# KiCad board Europe-ergo.kicad_pcb
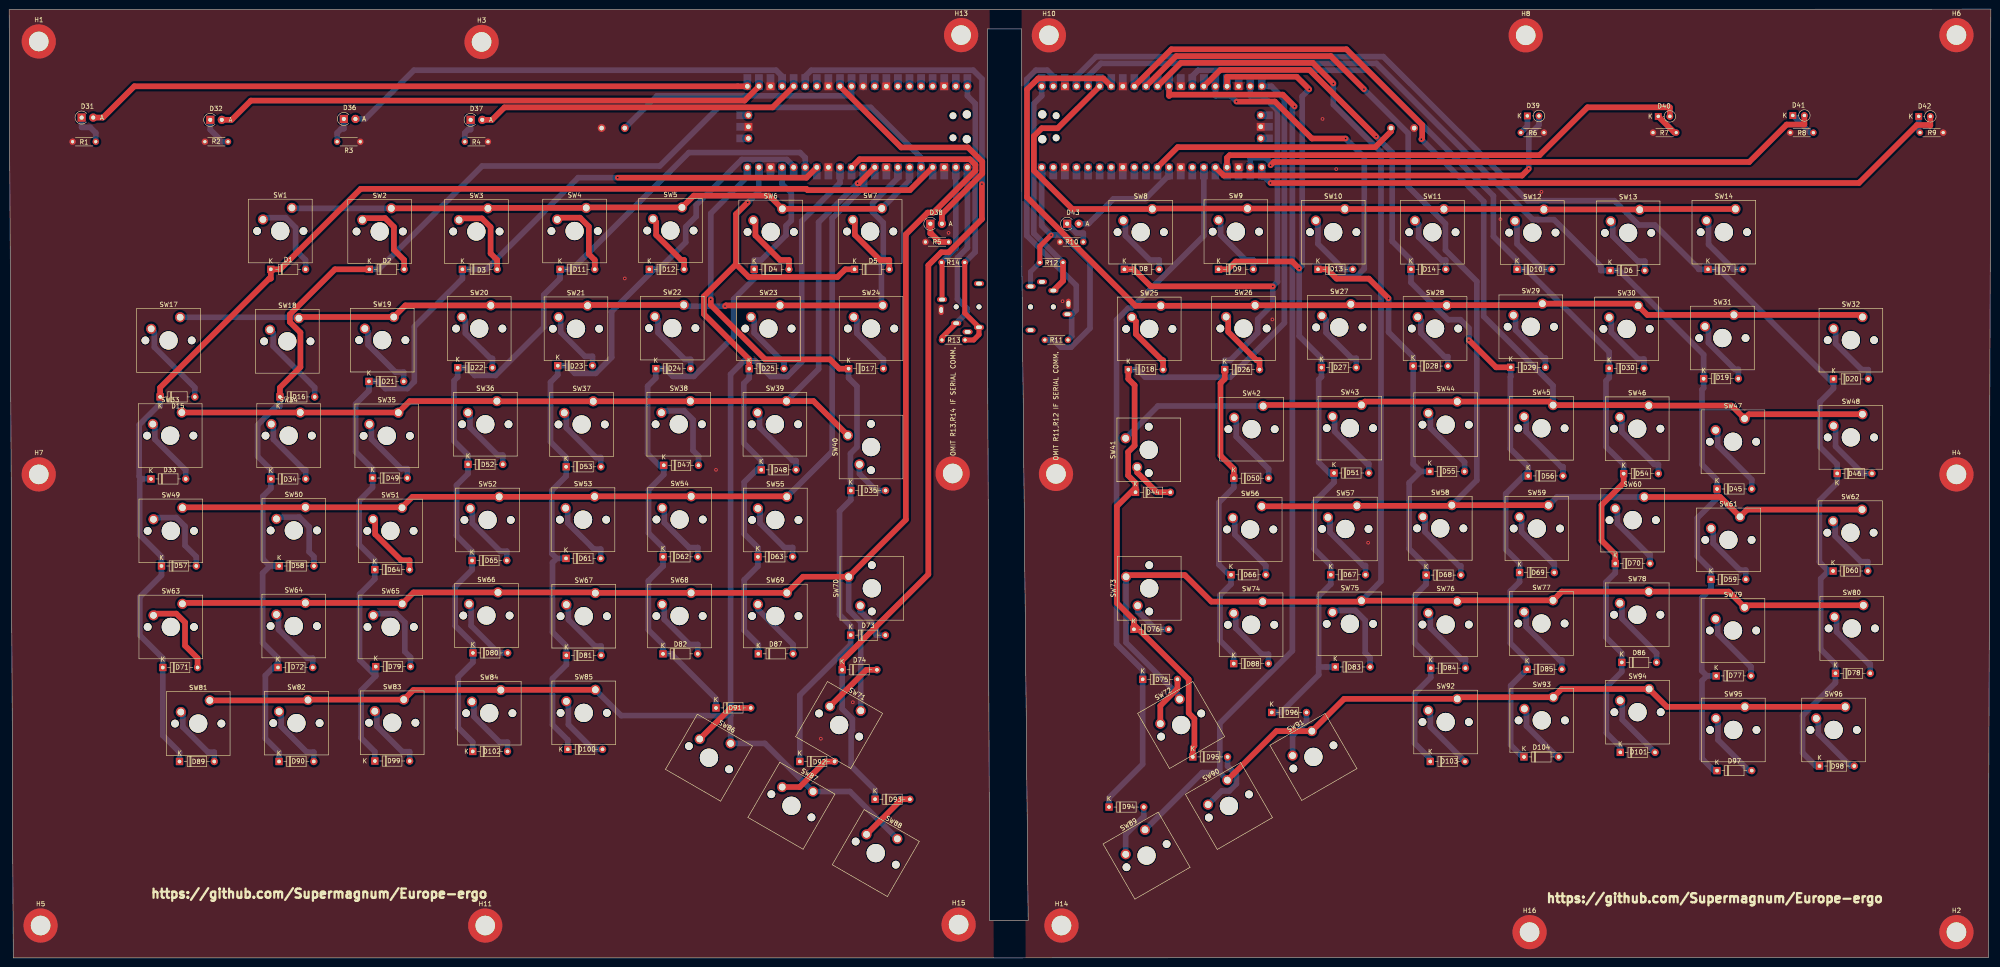
[diagram p0: board, top side]
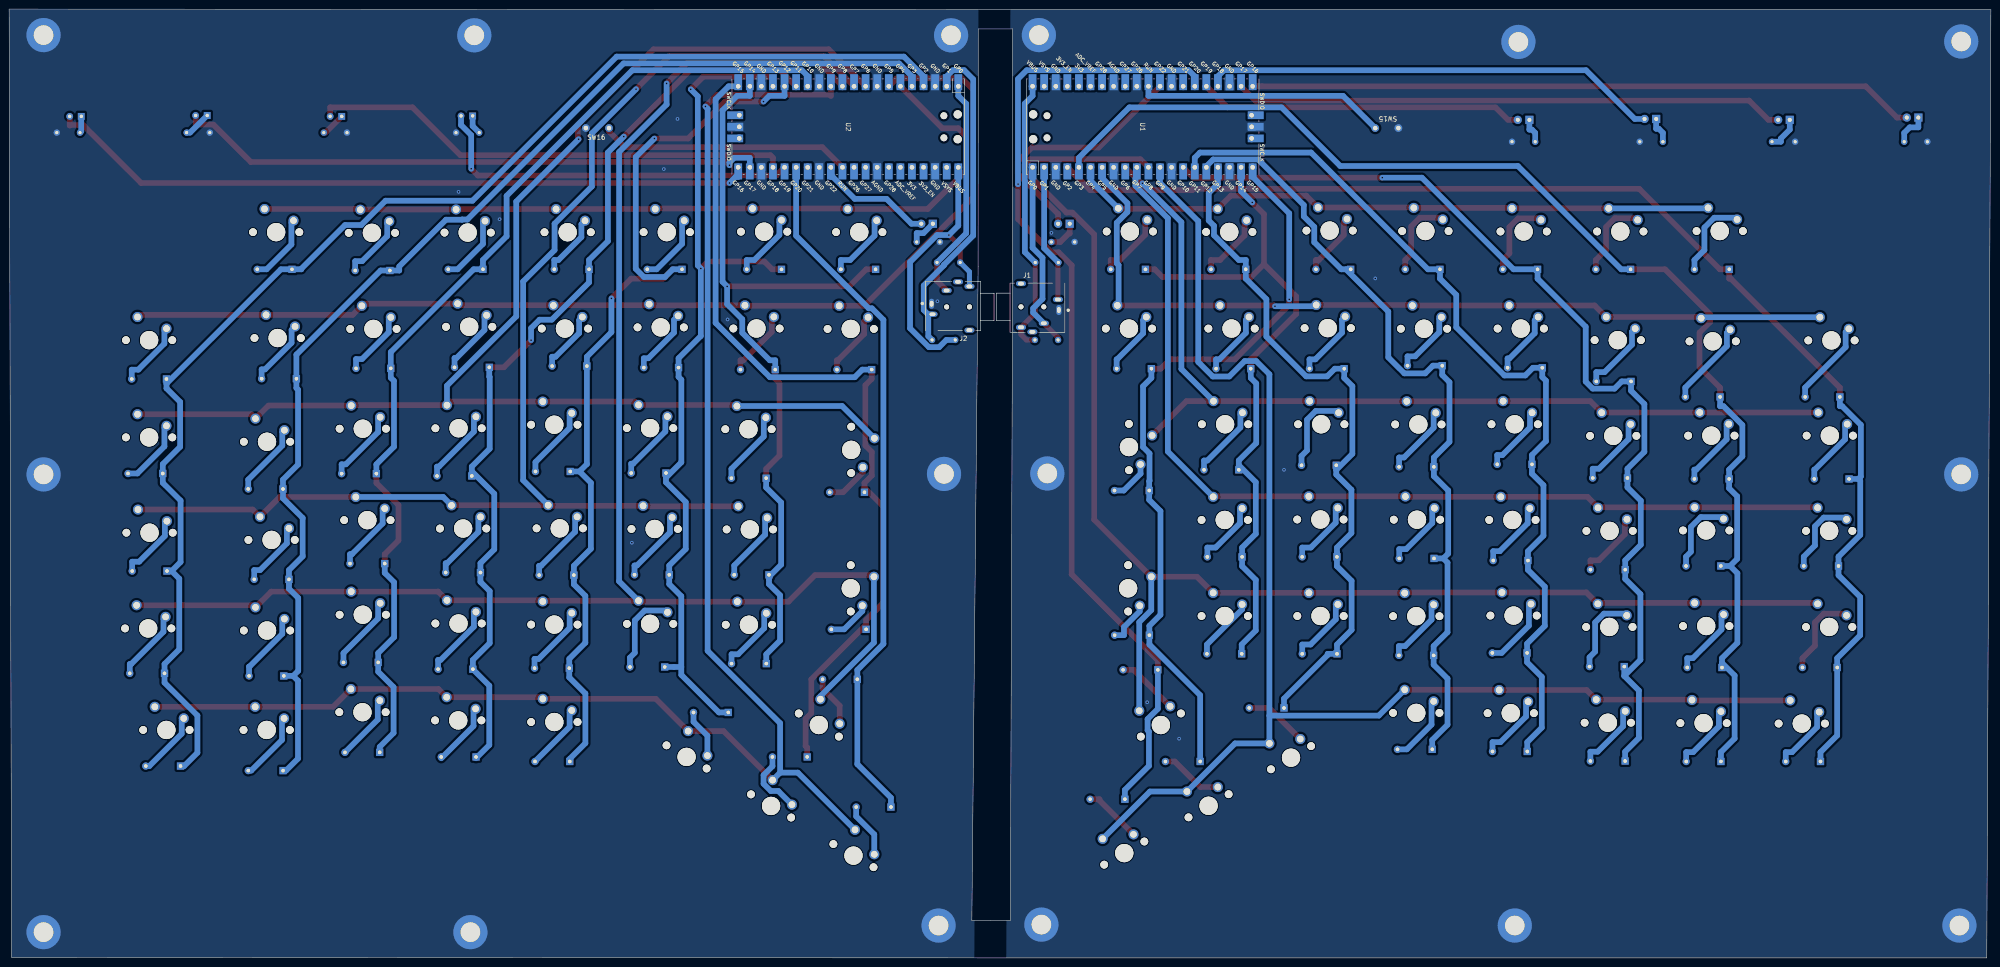
[diagram p1: board, bottom side, seen from below]

Outline 434.55 x 208.2 mm; copper layers: Top, Bottom. Coordinates in mm from the lower left corner of the outline.
Outline path: 0,208.1 214.5,208.1 434.55,208.2 434,0.1 215.9,0 0.9,0 0,208.1 ; 214.57,134.02 214.5,203.85 222.05,203.85 222.07,151.7 223.45,8.25 215,8.25 214.57,134.02
Stack: Top 0.035mm / dielectric 1.51mm FR4 er 4.5 / Bottom 0.035mm

## Placement (name value [footprint] x y rotation side)
D1  1N4148  [D_DO-35_SOD27_P7.62mm_Horizontal]  57.38 151.1 0 top
D2  1N4148  [D_DO-35_SOD27_P7.62mm_Horizontal]  79 151.1 0 top
D3  1N4148  [D_DO-35_SOD27_P7.62mm_Horizontal]  99.4 151.1 0 top
D4  1N4148  [D_DO-35_SOD27_P7.62mm_Horizontal]  163.38 151.1 0 top
D5  1N4148  [D_DO-35_SOD27_P7.62mm_Horizontal]  185.38 151.1 0 top
D6  1N4148  [D_DO-35_SOD27_P7.62mm_Horizontal]  351.05 150.84 0 top
D7  1N4148  [D_DO-35_SOD27_P7.62mm_Horizontal]  372.52 151.1 0 top
D8  1N4148  [D_DO-35_SOD27_P7.62mm_Horizontal]  244.55 151.1 0 top
D9  1N4148  [D_DO-35_SOD27_P7.62mm_Horizontal]  265.19 151.1 0 top
D10  1N4148  [D_DO-35_SOD27_P7.62mm_Horizontal]  330.65 151.1 0 top
D11  1N4148  [D_DO-35_SOD27_P7.62mm_Horizontal]  120.8 151.1 0 top
D12  1N4148  [D_DO-35_SOD27_P7.62mm_Horizontal]  140.38 151.1 0 top
D13  1N4148  [D_DO-35_SOD27_P7.62mm_Horizontal]  287 151.1 0 top
D14  1N4148  [D_DO-35_SOD27_P7.62mm_Horizontal]  307.39 151.1 0 top
D15  1N4148  [D_DO-35_SOD27_P7.62mm_Horizontal]  33.11 123.1 0 top
D16  1N4148  [D_DO-35_SOD27_P7.62mm_Horizontal]  59.38 123.1 0 top
D17  1N4148  [D_DO-35_SOD27_P7.62mm_Horizontal]  184.08 129.3 0 top
D18  1N4148  [D_DO-35_SOD27_P7.62mm_Horizontal]  245.41 129.09 0 top
D19  1N4148  [D_DO-35_SOD27_P7.62mm_Horizontal]  371.56 127.09 0 top
D20  1N4148  [D_DO-35_SOD27_P7.62mm_Horizontal]  400.05 127.03 0 top
D21  1N4148  [D_DO-35_SOD27_P7.62mm_Horizontal]  78.9 126.5 0 top
D22  1N4148  [D_DO-35_SOD27_P7.62mm_Horizontal]  98.36 129.5 0 top
D23  1N4148  [D_DO-35_SOD27_P7.62mm_Horizontal]  120.3 129.96 0 top
D24  1N4148  [D_DO-35_SOD27_P7.62mm_Horizontal]  141.8 129.3 0 top
D25  1N4148  [D_DO-35_SOD27_P7.62mm_Horizontal]  162.28 129.3 0 top
D26  1N4148  [D_DO-35_SOD27_P7.62mm_Horizontal]  266.56 129.09 0 top
D27  1N4148  [D_DO-35_SOD27_P7.62mm_Horizontal]  287.76 129.53 0 top
D28  1N4148  [D_DO-35_SOD27_P7.62mm_Horizontal]  307.86 129.88 0 top
D29  1N4148  [D_DO-35_SOD27_P7.62mm_Horizontal]  329.26 129.59 0 top
D30  1N4148  [D_DO-35_SOD27_P7.62mm_Horizontal]  350.86 129.36 0 top
D31  LTL-4233  [D_A-405_P2.54mm_Vertical_AnodeUp]  15.9 184.4 0 top
D32  LTL-4233  [D_A-405_P2.54mm_Vertical_AnodeUp]  44.1 183.9 0 top
D33  1N4148  [D_DO-35_SOD27_P7.62mm_Horizontal]  31.1 105.1 0 top
D34  1N4148  [D_DO-35_SOD27_P7.62mm_Horizontal]  57.4 105.1 0 top
D35  1N4148  [D_DO-35_SOD27_P7.62mm_Horizontal]  184.56 102.56 0 top
D36  LTL-4233  [D_A-405_P2.54mm_Vertical_AnodeUp]  73.4 184.1 0 top
D37  LTL-4233  [D_A-405_P2.54mm_Vertical_AnodeUp]  101.2 183.9 0 top
D38  LTL-4233  [D_A-405_P2.54mm_Vertical_AnodeUp]  202 161.1 0 top
D39  LTL-4233  [D_DO-34_SOD68_P2.54mm_Vertical_KathodeUp]  332.91 184.76 0 top
D40  LTL-4233  [D_DO-34_SOD68_P2.54mm_Vertical_KathodeUp]  361.61 184.66 0 top
D41  LTL-4233  [D_DO-34_SOD68_P2.54mm_Vertical_KathodeUp]  391.11 184.86 0 top
D42  LTL-4233  [D_DO-34_SOD68_P2.54mm_Vertical_KathodeUp]  418.73 184.66 0 top
D43  LTL-4233  [D_A-405_P2.54mm_Vertical_AnodeUp]  232 161.1 0 top
D44  1N4148  [D_DO-35_SOD27_P7.62mm_Horizontal]  247 102.18 0 top
D45  1N4148  [D_DO-35_SOD27_P7.62mm_Horizontal]  374.5 102.9 0 top
D46  1N4148  [D_DO-35_SOD27_P7.62mm_Horizontal]  400.86 106.3 0 top
D47  1N4148  [D_DO-35_SOD27_P7.62mm_Horizontal]  143.54 108.1 0 top
D48  1N4148  [D_DO-35_SOD27_P7.62mm_Horizontal]  164.92 107.1 0 top
D49  1N4148  [D_DO-35_SOD27_P7.62mm_Horizontal]  79.69 105.3 0 top
D50  1N4148  [D_DO-35_SOD27_P7.62mm_Horizontal]  268.55 105.26 0 top
D51  1N4148  [D_DO-35_SOD27_P7.62mm_Horizontal]  290.52 106.4 0 top
D52  1N4148  [D_DO-35_SOD27_P7.62mm_Horizontal]  100.63 108.3 0 top
D53  1N4148  [D_DO-35_SOD27_P7.62mm_Horizontal]  122.14 107.76 0 top
D54  1N4148  [D_DO-35_SOD27_P7.62mm_Horizontal]  354.02 106.26 0 top
D55  1N4148  [D_DO-35_SOD27_P7.62mm_Horizontal]  311.52 106.74 0 top
D56  1N4148  [D_DO-35_SOD27_P7.62mm_Horizontal]  333.1 105.76 0 top
D57  1N4148  [D_DO-35_SOD27_P7.62mm_Horizontal]  33.41 86 0 top
D58  1N4148  [D_DO-35_SOD27_P7.62mm_Horizontal]  59.22 86 0 top
D59  1N4148  [D_DO-35_SOD27_P7.62mm_Horizontal]  373.19 83.06 0 top
D60  1N4148  [D_DO-35_SOD27_P7.62mm_Horizontal]  399.94 84.89 0 top
D61  1N4148  [D_DO-35_SOD27_P7.62mm_Horizontal]  122.11 87.66 0 top
D62  1N4148  [D_DO-35_SOD27_P7.62mm_Horizontal]  143.39 88 0 top
D63  1N4148  [D_DO-35_SOD27_P7.62mm_Horizontal]  164.19 88 0 top
D64  1N4148  [D_DO-35_SOD27_P7.62mm_Horizontal]  80.18 85.2 0 top
D65  1N4148  [D_DO-35_SOD27_P7.62mm_Horizontal]  101.51 87.2 0 top
D66  1N4148  [D_DO-35_SOD27_P7.62mm_Horizontal]  267.93 84.06 0 top
D67  1N4148  [D_DO-35_SOD27_P7.62mm_Horizontal]  289.8 84.06 0 top
D68  1N4148  [D_DO-35_SOD27_P7.62mm_Horizontal]  310.71 84 0 top
D69  1N4148  [D_DO-35_SOD27_P7.62mm_Horizontal]  331.2 84.56 0 top
D70  1N4148  [D_DO-35_SOD27_P7.62mm_Horizontal]  352.19 86.53 0 top
D71  1N4148  [D_DO-35_SOD27_P7.62mm_Horizontal]  33.7 63.72 0 top
D72  1N4148  [D_DO-35_SOD27_P7.62mm_Horizontal]  58.96 63.72 0 top
D73  1N4148  [D_DO-35_SOD27_P7.62mm_Horizontal]  184.52 70.82 0 top
D74  1N4148  [D_DO-35_SOD27_P7.62mm_Horizontal]  182.66 63.22 0 top
D75  1N4148  [D_DO-35_SOD27_P7.62mm_Horizontal]  248.56 61.13 0 top
D76  1N4148  [D_DO-35_SOD27_P7.62mm_Horizontal]  246.64 72.1 0 top
D77  1N4148  [D_DO-35_SOD27_P7.62mm_Horizontal]  374.32 61.88 0 top
D78  1N4148  [D_DO-35_SOD27_P7.62mm_Horizontal]  400.48 62.44 0 top
D79  1N4148  [D_DO-35_SOD27_P7.62mm_Horizontal]  80.39 63.92 0 top
D80  1N4148  [D_DO-35_SOD27_P7.62mm_Horizontal]  101.7 66.92 0 top
D81  1N4148  [D_DO-35_SOD27_P7.62mm_Horizontal]  122.19 66.38 0 top
D82  1N4148  [D_DO-35_SOD27_P7.62mm_Horizontal]  143.38 66.72 0 top
D83  1N4148  [D_DO-35_SOD27_P7.62mm_Horizontal]  290.8 63.84 0 top
D84  1N4148  [D_DO-35_SOD27_P7.62mm_Horizontal]  311.72 63.58 0 top
D85  1N4148  [D_DO-35_SOD27_P7.62mm_Horizontal]  332.86 63.34 0 top
D86  1N4148  [D_DO-35_SOD27_P7.62mm_Horizontal]  353.62 64.84 0 top
D87  1N4148  [D_DO-35_SOD27_P7.62mm_Horizontal]  164.28 66.72 0 top
D88  1N4148  [D_DO-35_SOD27_P7.62mm_Horizontal]  268.52 64.57 0 top
D89  1N4148  [D_DO-35_SOD27_P7.62mm_Horizontal]  37.36 43.1 0 top
D90  1N4148  [D_DO-35_SOD27_P7.62mm_Horizontal]  59.19 43.1 0 top
D91  1N4148  [D_DO-35_SOD27_P7.62mm_Horizontal]  155 54.85 0 top
D92  1N4148  [D_DO-35_SOD27_P7.62mm_Horizontal]  173.38 43.1 0 top
D93  1N4148  [D_DO-35_SOD27_P7.62mm_Horizontal]  189.89 34.82 0 top
D94  1N4148  [D_DO-35_SOD27_P7.62mm_Horizontal]  241.19 33.1 0 top
D95  1N4148  [D_DO-35_SOD27_P7.62mm_Horizontal]  259.55 44.1 0 top
D96  1N4148  [D_DO-35_SOD27_P7.62mm_Horizontal]  276.86 53.86 0 top
D97  1N4148  [D_DO-35_SOD27_P7.62mm_Horizontal]  374.49 41.1 0 top
D98  1N4148  [D_DO-35_SOD27_P7.62mm_Horizontal]  396.97 42.1 0 top
D99  1N4148  [D_DO-35_SOD27_P7.62mm_Horizontal]  80.2 43.2 0 top
D100  1N4148  [D_DO-35_SOD27_P7.62mm_Horizontal]  122.5 45.76 0 top
D101  1N4148  [D_DO-35_SOD27_P7.62mm_Horizontal]  353.29 45.1 0 top
D102  1N4148  [D_DO-35_SOD27_P7.62mm_Horizontal]  101.66 45.3 0 top
D103  1N4148  [D_DO-35_SOD27_P7.62mm_Horizontal]  311.62 43.1 0 top
D104  1N4148  [D_DO-35_SOD27_P7.62mm_Horizontal]  332.17 44.1 0 top
H1  MountingHole_Pad  [MountingHole_4.3mm_M4_DIN965_Pad]  6.5 201.1 0 top
H2  MountingHole_Pad  [MountingHole_4.3mm_M4_DIN965_Pad]  427 5.65 0 top
H3  MountingHole_Pad  [MountingHole_4.3mm_M4_DIN965_Pad]  103.6 201 0 top
H4  MountingHole_Pad  [MountingHole_4.3mm_M4_DIN965_Pad]  427 106.1 0 top
H5  MountingHole_Pad  [MountingHole_4.3mm_M4_DIN965_Pad]  6.9 7.1 0 top
H6  MountingHole_Pad  [MountingHole_4.3mm_M4_DIN965_Pad]  427 202.5 0 top
H7  MountingHole_Pad  [MountingHole_4.3mm_M4_DIN965_Pad]  6.5 106.1 0 top
H8  MountingHole_Pad  [MountingHole_4.3mm_M4_DIN965_Pad]  332.55 202.45 0 top
H9  MountingHole_Pad  [MountingHole_4.3mm_M4_DIN965_Pad]  206.9 106.3 0 top
H10  MountingHole_Pad  [MountingHole_4.3mm_M4_DIN965_Pad]  228 202.45 0 top
H11  MountingHole_Pad  [MountingHole_4.3mm_M4_DIN965_Pad]  104.4 7.1 0 top
H12  MountingHole_Pad  [MountingHole_4.3mm_M4_DIN965_Pad]  229.55 106.2 0 top
H13  MountingHole_Pad  [MountingHole_4.3mm_M4_DIN965_Pad]  208.75 202.5 0 top
H14  MountingHole_Pad  [MountingHole_4.3mm_M4_DIN965_Pad]  230.75 7.1 0 top
H15  MountingHole_Pad  [MountingHole_4.3mm_M4_DIN965_Pad]  208.2 7.3 0 top
H16  MountingHole_Pad  [MountingHole_4.3mm_M4_DIN965_Pad]  333.4 5.65 0 top
J1  SJ-435107  [CUI_SJ-435107]  209.07 142.87 180 bottom
J2  SJ-435107  [CUI_SJ-435107]  227.57 142.85 0 bottom
R1  330  [R_Axial_DIN0204_L3.6mm_D1.6mm_P5.08mm_Horizontal]  13.92 179.1 0 top
R2  330  [R_Axial_DIN0204_L3.6mm_D1.6mm_P5.08mm_Horizontal]  42.92 179.1 0 top
R3  330  [R_Axial_DIN0204_L3.6mm_D1.6mm_P5.08mm_Horizontal]  77 179.1 180 top
R4  330  [R_Axial_DIN0204_L3.6mm_D1.6mm_P5.08mm_Horizontal]  105 179.1 180 top
R5  330  [R_Axial_DIN0204_L3.6mm_D1.6mm_P5.08mm_Horizontal]  200.92 157.1 0 top
R6  330  [R_Axial_DIN0204_L3.6mm_D1.6mm_P5.08mm_Horizontal]  331.47 181.1 0 top
R7  330  [R_Axial_DIN0204_L3.6mm_D1.6mm_P5.08mm_Horizontal]  365.55 181.1 180 top
R8  330  [R_Axial_DIN0204_L3.6mm_D1.6mm_P5.08mm_Horizontal]  395.63 181.1 180 top
R9  330  [R_Axial_DIN0204_L3.6mm_D1.6mm_P5.08mm_Horizontal]  419.01 181.1 0 top
R10  330  [R_Axial_DIN0204_L3.6mm_D1.6mm_P5.08mm_Horizontal]  230.46 157.1 0 top
R11  4.7K  [R_Axial_DIN0204_L3.6mm_D1.6mm_P5.08mm_Horizontal]  232.17 135.6 180 top
R12  4.7K  [R_Axial_DIN0204_L3.6mm_D1.6mm_P5.08mm_Horizontal]  231.09 152.6 180 top
R13  4.7K  [R_Axial_DIN0204_L3.6mm_D1.6mm_P5.08mm_Horizontal]  204.54 135.6 0 top
R14  4.7K  [R_Axial_DIN0204_L3.6mm_D1.6mm_P5.08mm_Horizontal]  204.46 152.6 0 top
SW1  MX1A-G1NN  [SW_Cherry_MX_1.00u_PCB]  62 164.58 0 top
SW2  MX1A-G1NN  [SW_Cherry_MX_1.00u_PCB]  83.8 164.48 0 top
SW3  MX1A-G1NN  [SW_Cherry_MX_1.00u_PCB]  105 164.48 0 top
SW4  MX1A-G1NN  [SW_Cherry_MX_1.00u_PCB]  126.54 164.58 0 top
SW5  MX1A-G1NN  [SW_Cherry_MX_1.00u_PCB]  147.54 164.68 0 top
SW6  MX1A-G1NN  [SW_Cherry_MX_1.00u_PCB]  169.54 164.38 0 top
SW7  MX1A-G1NN  [SW_Cherry_MX_1.00u_PCB]  191.34 164.48 0 top
SW8  MX1A-G1NN  [SW_Cherry_MX_1.00u_PCB]  250.67 164.34 0 top
SW9  MX1A-G1NN  [SW_Cherry_MX_1.00u_PCB]  271.54 164.44 0 top
SW10  MX1A-G1NN  [SW_Cherry_MX_1.00u_PCB]  292.88 164.34 0 top
SW11  MX1A-G1NN  [SW_Cherry_MX_1.00u_PCB]  314.62 164.32 0 top
SW12  MX1A-G1NN  [SW_Cherry_MX_1.00u_PCB]  336.54 164.24 0 top
SW13  MX1A-G1NN  [SW_Cherry_MX_1.00u_PCB]  357.54 164.18 0 top
SW14  MX1A-G1NN  [SW_Cherry_MX_1.00u_PCB]  378.54 164.34 0 top
SW15  800SP9B6M2RE  [switch_P5.08mm]  135 182.1 180 bottom
SW16  800SP9B6M2RE  [switch_P5.08mm]  303.01 182.1 0 bottom
SW17  MX1A-G1NN  [SW_Cherry_MX_1.50u_PCB]  37.5 140.58 0 top
SW18  MX1A-G1NN  [SW_Cherry_MX_1.00u_PCB]  63.54 140.38 0 top
SW19  MX1A-G1NN  [SW_Cherry_MX_1.00u_PCB]  84.35 140.64 0 top
SW20  MX1A-G1NN  [SW_Cherry_MX_1.00u_PCB]  105.62 143.18 0 top
SW21  MX1A-G1NN  [SW_Cherry_MX_1.00u_PCB]  126.84 143.14 0 top
SW22  MX1A-G1NN  [SW_Cherry_MX_1.00u_PCB]  147.94 143.28 0 top
SW23  MX1A-G1NN  [SW_Cherry_MX_1.00u_PCB]  169.04 143.18 0 top
SW24  MX1A-G1NN  [SW_Cherry_MX_1.00u_PCB]  191.54 143.18 0 top
SW25  MX1A-G1NN  [SW_Cherry_MX_1.00u_PCB]  252.54 143.1 0 top
SW26  MX1A-G1NN  [SW_Cherry_MX_1.00u_PCB]  273.21 143.2 0 top
SW27  MX1A-G1NN  [SW_Cherry_MX_1.00u_PCB]  294.21 143.44 0 top
SW28  MX1A-G1NN  [SW_Cherry_MX_1.00u_PCB]  315.21 143.18 0 top
SW29  MX1A-G1NN  [SW_Cherry_MX_1.00u_PCB]  336.21 143.57 0 top
SW30  MX1A-G1NN  [SW_Cherry_MX_1.00u_PCB]  357.21 143.1 0 top
SW31  MX1A-G1NN  [SW_Cherry_MX_1.00u_PCB]  378.21 141.1 0 top
SW32  MX1A-G1NN  [SW_Cherry_MX_1.50u_PCB]  406.39 140.64 0 top
SW33  MX1A-G1NN  [SW_Cherry_MX_1.50u_PCB]  37.86 119.68 0 top
SW34  MX1A-G1NN  [SW_Cherry_MX_1.00u_PCB]  63.84 119.68 0 top
SW35  MX1A-G1NN  [SW_Cherry_MX_1.00u_PCB]  85.35 119.64 0 top
SW36  MX1A-G1NN  [SW_Cherry_MX_1.00u_PCB]  106.96 122.18 0 top
SW37  MX1A-G1NN  [SW_Cherry_MX_1.00u_PCB]  128.08 122.14 0 top
SW38  MX1A-G1NN  [SW_Cherry_MX_1.00u_PCB]  149.38 122.18 0 top
SW39  MX1A-G1NN  [SW_Cherry_MX_1.00u_PCB]  170.46 122.18 0 top
SW40  MX1A-G1NN  [SW_Cherry_MX_1.50u_PCB]  183.92 114.64 90 top
SW41  MX1A-G1NN  [SW_Cherry_MX_1.50u_PCB]  244.82 114.02 90 top
SW42  MX1A-G1NN  [SW_Cherry_MX_1.00u_PCB]  274.97 121.1 0 top
SW43  MX1A-G1NN  [SW_Cherry_MX_1.00u_PCB]  296.54 121.34 0 top
SW44  MX1A-G1NN  [SW_Cherry_MX_1.00u_PCB]  317.54 122.08 0 top
SW45  MX1A-G1NN  [SW_Cherry_MX_1.00u_PCB]  338.54 121.3 0 top
SW46  MX1A-G1NN  [SW_Cherry_MX_1.00u_PCB]  359.54 121.2 0 top
SW47  MX1A-G1NN  [SW_Cherry_MX_1.00u_PCB]  380.54 118.34 0 top
SW48  MX1A-G1NN  [SW_Cherry_MX_1.50u_PCB]  406.39 119.3 0 top
SW49  MX1A-G1NN  [SW_Cherry_MX_1.50u_PCB]  38 98.78 0 top
SW50  MX1A-G1NN  [SW_Cherry_MX_1.00u_PCB]  64.97 98.88 0 top
SW51  MX1A-G1NN  [SW_Cherry_MX_1.00u_PCB]  86.15 98.78 0 top
SW52  MX1A-G1NN  [SW_Cherry_MX_1.00u_PCB]  107.46 101.18 0 top
SW53  MX1A-G1NN  [SW_Cherry_MX_1.00u_PCB]  128.38 101.24 0 top
SW54  MX1A-G1NN  [SW_Cherry_MX_1.00u_PCB]  149.56 101.28 0 top
SW55  MX1A-G1NN  [SW_Cherry_MX_1.00u_PCB]  170.54 101.18 0 top
SW56  MX1A-G1NN  [SW_Cherry_MX_1.00u_PCB]  274.67 99.1 0 top
SW57  MX1A-G1NN  [SW_Cherry_MX_1.00u_PCB]  295.54 99.2 0 top
SW58  MX1A-G1NN  [SW_Cherry_MX_1.00u_PCB]  316.35 99.34 0 top
SW59  MX1A-G1NN  [SW_Cherry_MX_1.00u_PCB]  337.54 99.3 0 top
SW60  MX1A-G1NN  [SW_Cherry_MX_1.00u_PCB]  358.54 101.14 0 top
SW61  MX1A-G1NN  [SW_Cherry_MX_1.00u_PCB]  379.54 96.8 0 top
SW62  MX1A-G1NN  [SW_Cherry_MX_1.50u_PCB]  406.3 98.38 0 top
SW63  MX1A-G1NN  [SW_Cherry_MX_1.50u_PCB]  38 77.7 0 top
SW64  MX1A-G1NN  [SW_Cherry_MX_1.00u_PCB]  64.96 77.9 0 top
SW65  MX1A-G1NN  [SW_Cherry_MX_1.00u_PCB]  86.2 77.7 0 top
SW66  MX1A-G1NN  [SW_Cherry_MX_1.00u_PCB]  107.2 80.2 0 top
SW67  MX1A-G1NN  [SW_Cherry_MX_1.00u_PCB]  128.54 80.06 0 top
SW68  MX1A-G1NN  [SW_Cherry_MX_1.00u_PCB]  149.54 80.1 0 top
SW69  MX1A-G1NN  [SW_Cherry_MX_1.00u_PCB]  170.54 80.1 0 top
SW70  MX1A-G1NN  [SW_Cherry_MX_1.50u_PCB]  184.1 83.64 90 top
SW71  MX1A-G1NN  [SW_Cherry_MX_1.00u_PCB]  186.74 54.23 330 top
SW72  MX1A-G1NN  [SW_Cherry_MX_1.00u_PCB]  256.66 56.77 30 top
SW73  MX1A-G1NN  [SW_Cherry_MX_1.50u_PCB]  244.92 83.64 90 top
SW74  MX1A-G1NN  [SW_Cherry_MX_1.00u_PCB]  274.87 78.18 0 top
SW75  MX1A-G1NN  [SW_Cherry_MX_1.00u_PCB]  296.54 78.38 0 top
SW76  MX1A-G1NN  [SW_Cherry_MX_1.00u_PCB]  317.54 78.22 0 top
SW77  MX1A-G1NN  [SW_Cherry_MX_1.00u_PCB]  338.54 78.46 0 top
SW78  MX1A-G1NN  [SW_Cherry_MX_1.00u_PCB]  359.54 80.38 0 top
SW79  MX1A-G1NN  [SW_Cherry_MX_1.00u_PCB]  380.54 76.92 0 top
SW80  MX1A-G1NN  [SW_Cherry_MX_1.50u_PCB]  406.6 77.38 0 top
SW81  MX1A-G1NN  [SW_Cherry_MX_1.00u_PCB]  44 56.5 0 top
SW82  MX1A-G1NN  [SW_Cherry_MX_1.00u_PCB]  65.54 56.6 0 top
SW83  MX1A-G1NN  [SW_Cherry_MX_1.00u_PCB]  86.54 56.68 0 top
SW84  MX1A-G1NN  [SW_Cherry_MX_1.00u_PCB]  107.82 58.78 0 top
SW85  MX1A-G1NN  [SW_Cherry_MX_1.00u_PCB]  128.54 58.84 0 top
SW86  MX1A-G1NN  [SW_Cherry_MX_1.00u_PCB]  158.2 47.06 330 top
SW87  MX1A-G1NN  [SW_Cherry_MX_1.00u_PCB]  176.28 36.51 330 top
SW88  MX1A-G1NN  [SW_Cherry_MX_1.00u_PCB]  194.77 26.12 330 top
SW89  MX1A-G1NN  [SW_Cherry_MX_1.00u_PCB]  249.07 28.11 30 top
SW90  MX1A-G1NN  [SW_Cherry_MX_1.00u_PCB]  267.13 39.01 30 top
SW91  MX1A-G1NN  [SW_Cherry_MX_1.00u_PCB]  285.66 49.77 30 top
SW92  MX1A-G1NN  [SW_Cherry_MX_1.00u_PCB]  317.54 56.84 0 top
SW93  MX1A-G1NN  [SW_Cherry_MX_1.00u_PCB]  338.61 57.2 0 top
SW94  MX1A-G1NN  [SW_Cherry_MX_1.00u_PCB]  359.61 59 0 top
SW95  MX1A-G1NN  [SW_Cherry_MX_1.00u_PCB]  380.61 55.1 0 top
SW96  MX1A-G1NN  [SW_Cherry_MX_1.00u_PCB]  402.61 55.1 0 top
U1  SC0915  [RPi_Pico_SMD_TH]  186 182.38 90 bottom
U2  SC0915  [RPi_Pico_SMD_TH]  250.55 182.38 270 bottom

## Library data of the parts
D1-D30 D33-D35 D44-D104 = -: Description: 100V 0.15A standard switching diode, DO-35
D31 D32 D36-D43 = -: Description: Light emitting diode
H1-H16 = -: Description: Mounting Hole with connection
J1 J2 = -: Description: Generic connector, single row, 01x04, script generated (kicad-library-utils/schlib/autogen/connector/)
R1-R14 = -: Description: Resistor
SW15 SW16 = -: Description: Push button switch, generic, two pins
SW71 SW72 = -: Field4: arrow-up
SW86 SW91 = -: Field4: arrow-left
SW87 SW90 = -: Field4: arrow-down
SW88 SW89 = -: Field4: arrow-right

## Footprints (pads in the part's own frame, mm; a bottom-side part is the same pattern mirrored in y, then rotated)
CUI_SJ-435107
  round 1.1 hole 1.1 unplated: (-3.6,0) (1.4,0)
  oval 1.1x2.2 hole 0.8x1.3: 1(4.7,-0.7)
  oval 2.2x1.1 hole 1.3x0.8: 2(1.4,-3.6) 3(4.5,1.6) 4(-3.6,-4.5) SH1(-3.6,5.1) SH2(-1.1,-5.5)
D_A-405_P2.54mm_Vertical_AnodeUp
  rect 1.8x1.8 hole 0.9: 1(0,0)
  oval 1.8x1.8 hole 0.9: 2(2.54,0)
D_DO-34_SOD68_P2.54mm_Vertical_KathodeUp
  rect 1.5x1.5 hole 0.75: 1(0,0)
  oval 1.5x1.5 hole 0.75: 2(2.54,0)
D_DO-35_SOD27_P7.62mm_Horizontal
  rect 1.6x1.6 hole 0.8: 1(0,0)
  oval 1.6x1.6 hole 0.8: 2(7.62,0)
MountingHole_4.3mm_M4_DIN965_Pad
  round 7.5 hole 4.3: 1(0,0)
R_Axial_DIN0204_L3.6mm_D1.6mm_P5.08mm_Horizontal
  round 1.4 hole 0.7: 1(0,0)
  oval 1.4x1.4 hole 0.7: 2(5.08,0)
RPi_Pico_SMD_TH
  oval 1.8x1.8 hole 1.8 unplated: (-2.725,24) (2.725,24)
  oval 1.5x1.5 hole 1.5 unplated: (-2.425,20.97) (2.425,20.97)
  oval 1.7x1.7 hole 1.02: 1(-8.89,24.13) 2(-8.89,21.59) 4(-8.89,16.51) 5(-8.89,13.97) 6(-8.89,11.43) 7(-8.89,8.89) 9(-8.89,3.81) 10(-8.89,1.27) 11(-8.89,-1.27) 12(-8.89,-3.81) 14(-8.89,-8.89) 15(-8.89,-11.43) 16(-8.89,-13.97) 17(-8.89,-16.51) 19(-8.89,-21.59) 20(-8.89,-24.13) 21(8.89,-24.13) 22(8.89,-21.59) 24(8.89,-16.51) 25(8.89,-13.97) 26(8.89,-11.43) 27(8.89,-8.89) 29(8.89,-3.81) 30(8.89,-1.27) 31(8.89,1.27) 32(8.89,3.81) 34(8.89,8.89) 35(8.89,11.43) 36(8.89,13.97) 37(8.89,16.51) 39(8.89,21.59) 40(8.89,24.13) 41(-2.54,-23.9) 43(2.54,-23.9)
  rect 3.5x1.7 smd: 1(-8.89,24.13) 2(-8.89,21.59) 3(-8.89,19.05) 4(-8.89,16.51) 5(-8.89,13.97) 6(-8.89,11.43) 7(-8.89,8.89) 8(-8.89,6.35) 9(-8.89,3.81) 10(-8.89,1.27) 11(-8.89,-1.27) 12(-8.89,-3.81) 13(-8.89,-6.35) 14(-8.89,-8.89) 15(-8.89,-11.43) 16(-8.89,-13.97) 17(-8.89,-16.51) 18(-8.89,-19.05) 19(-8.89,-21.59) 20(-8.89,-24.13) 21(8.89,-24.13) 22(8.89,-21.59) 23(8.89,-19.05) 24(8.89,-16.51) 25(8.89,-13.97) 26(8.89,-11.43) 27(8.89,-8.89) 28(8.89,-6.35) 29(8.89,-3.81) 30(8.89,-1.27) 31(8.89,1.27) 32(8.89,3.81) 33(8.89,6.35) 34(8.89,8.89) 35(8.89,11.43) 36(8.89,13.97) 37(8.89,16.51) 38(8.89,19.05) 39(8.89,21.59) 40(8.89,24.13)
  rect 1.7x1.7 hole 1.02: 3(-8.89,19.05) 8(-8.89,6.35) 13(-8.89,-6.35) 18(-8.89,-19.05) 23(8.89,-19.05) 28(8.89,-6.35) 33(8.89,6.35) 38(8.89,19.05) 42(0,-23.9)
  rect 1.7x3.5 smd: 41(-2.54,-23.9) 42(0,-23.9) 43(2.54,-23.9)
SW_Cherry_MX_1.00u_PCB
  round 1.7 hole 1.7 unplated: (-7.62,-5.08) (2.54,-5.08)
  round 4 hole 4 unplated: (-2.54,-5.08)
  round 2.2 hole 1.5: 1(0,0) 2(-6.35,-2.54)
SW_Cherry_MX_1.50u_PCB
  round 1.7 hole 1.7 unplated: (-7.62,-5.08) (2.54,-5.08)
  round 4 hole 4 unplated: (-2.54,-5.08)
  round 2.2 hole 1.5: 1(0,0) 2(-6.35,-2.54)
switch_P5.08mm
  round 1.7 hole 1: 1(0,0) 2(5.08,0)
